# KiCad board line follower simple.kicad_pcb
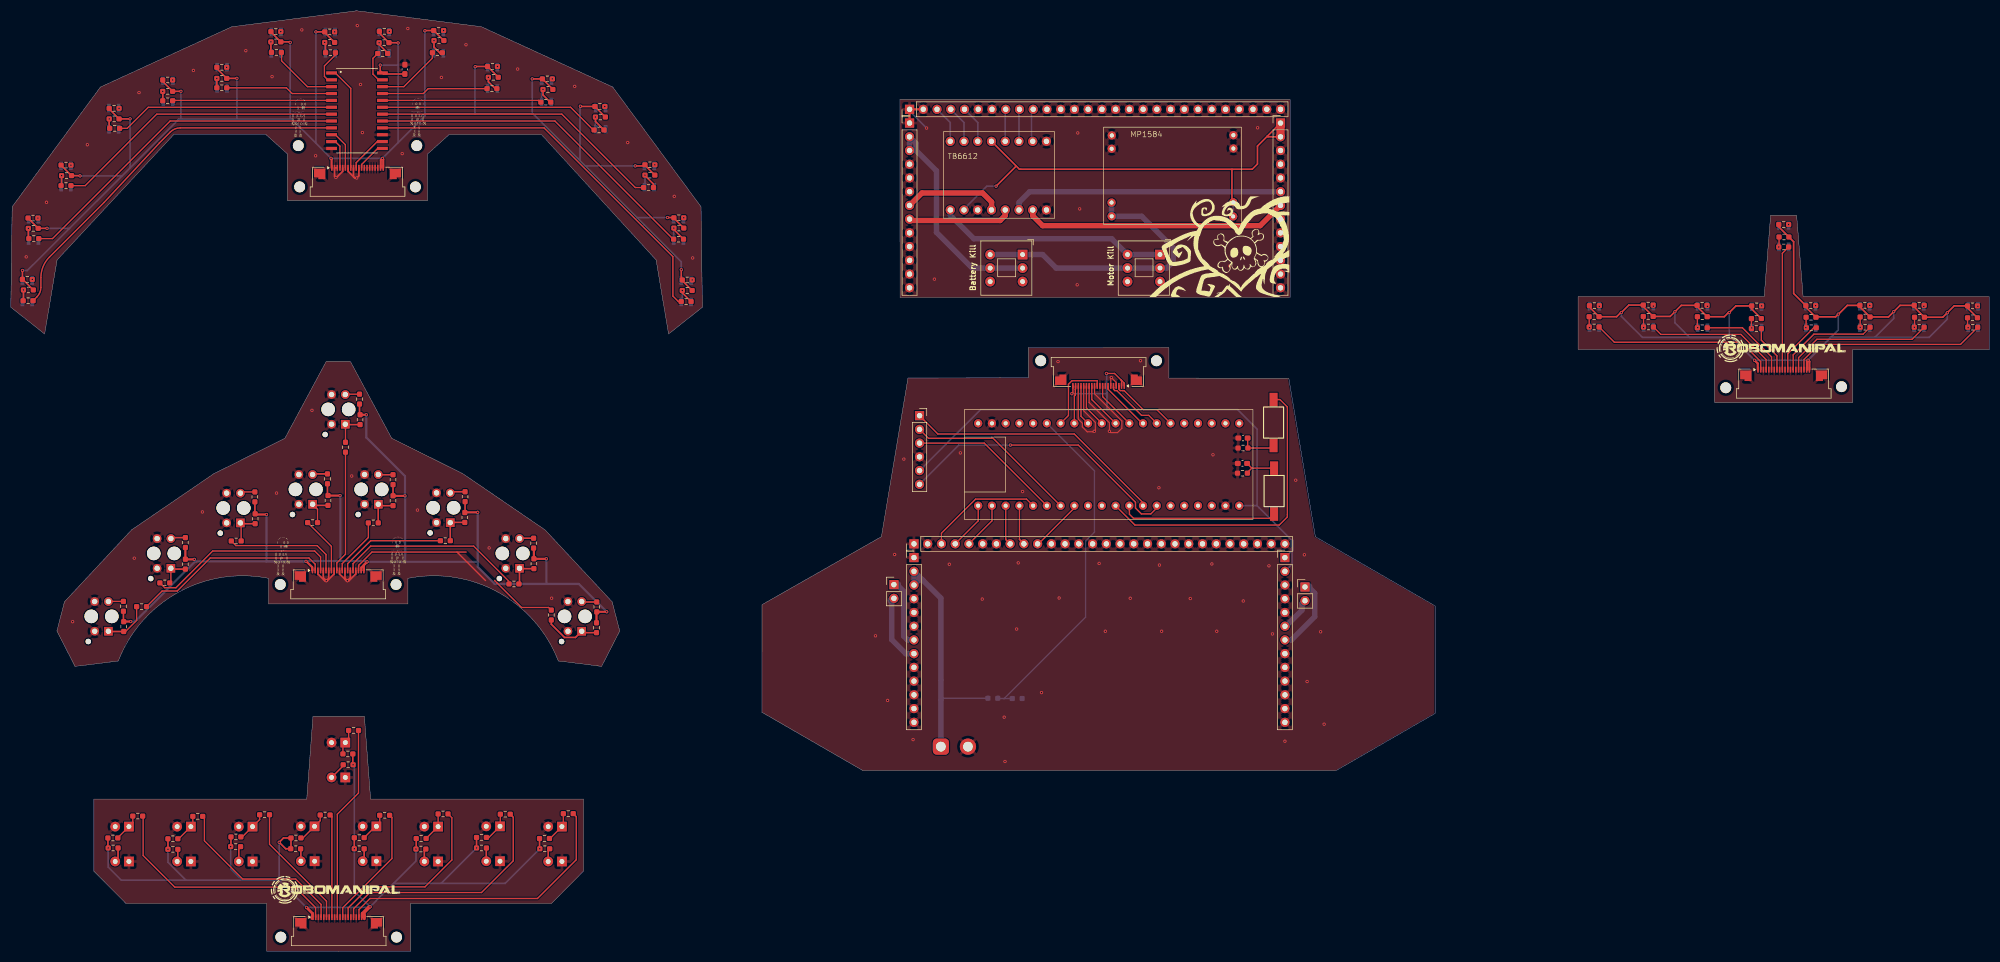
[diagram p0: board, top side]
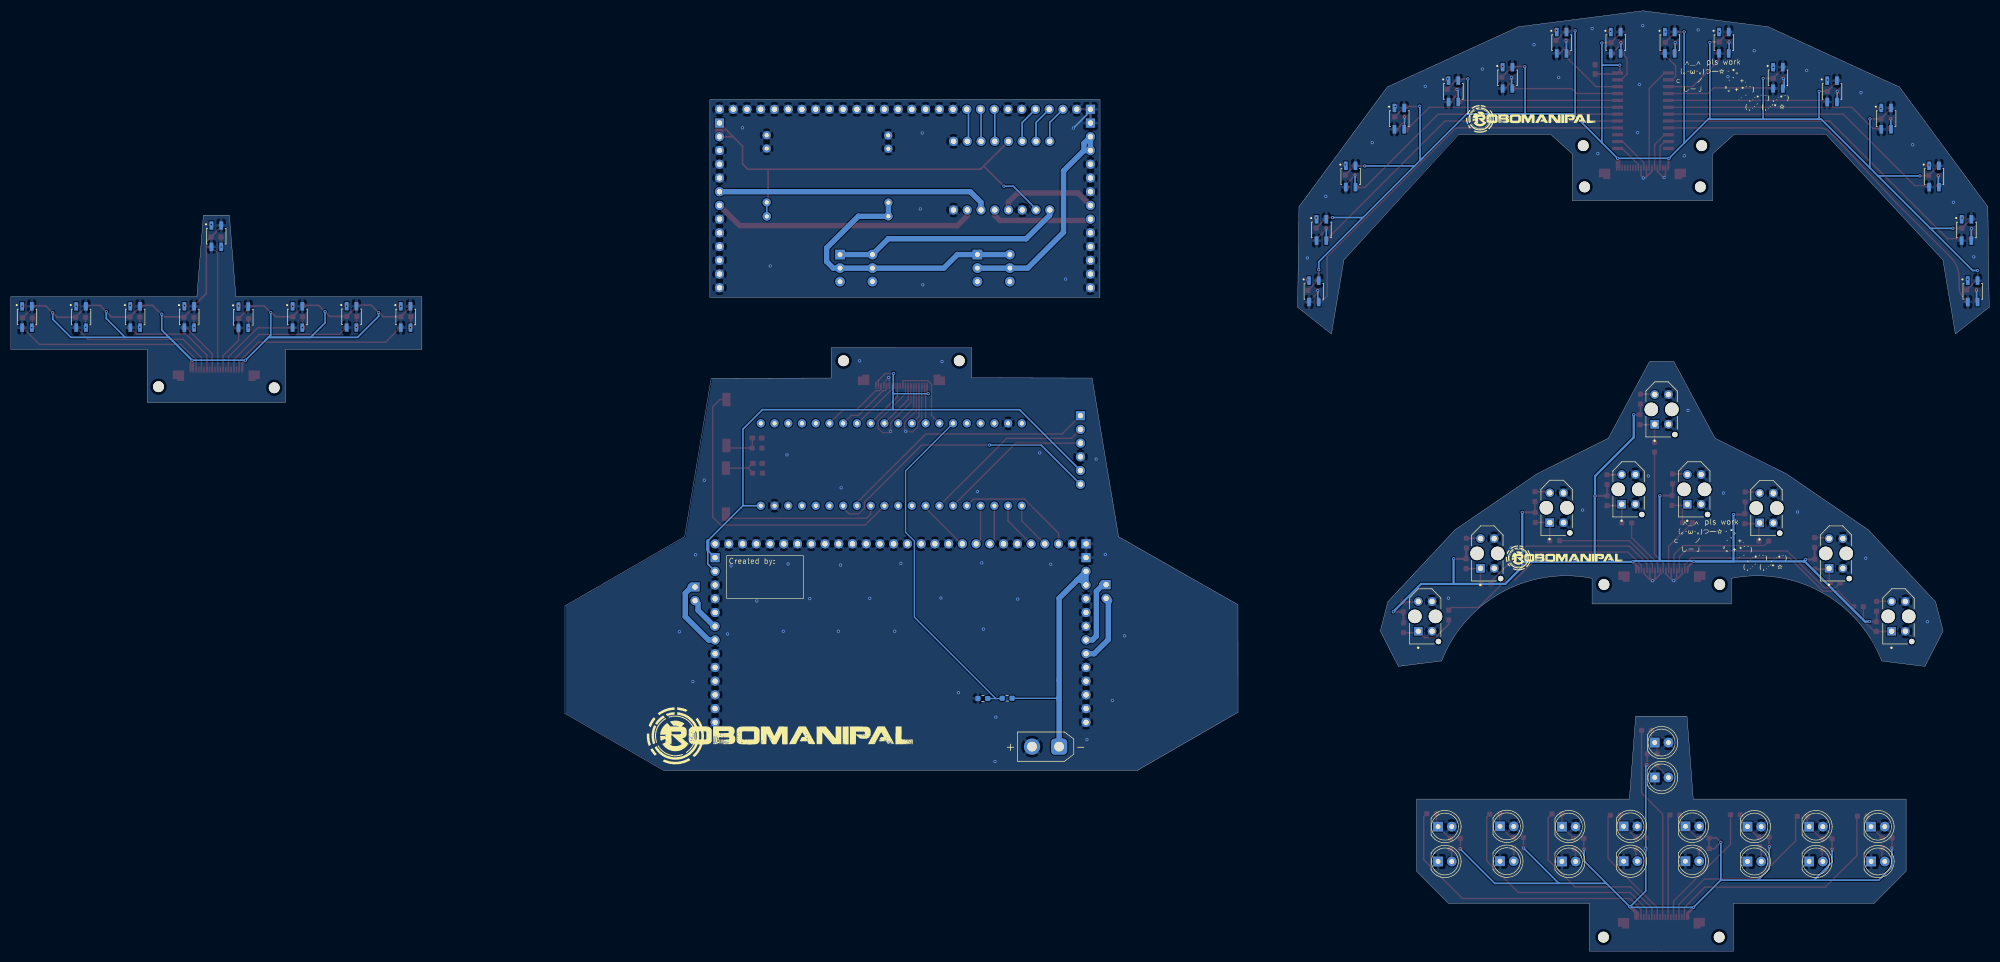
[diagram p1: board, bottom side, seen from below]

Outline 365.75 x 174 mm; copper layers: Top, Bottom. Coordinates in mm from the lower left corner of the outline.
Outline path: 81,151.07 77.1,147.55 77.1,138.87 51.1,138.87 51.1,147.55 47.2,151.07 30.1,151.07 8.55,127.9 6.25,114.2 0,119.15 0.25,137.75 16.57,159.9 40.85,171.05 63.9,174 63.95,174 87,171.05 111.27,159.9 127.6,137.75 127.85,119.15 121.6,114.2 119.3,127.9 98.11,151.08 81.01,151.08 ; 160.94,76.7 138.88,64.12 138.86,44.2 157.5,33.44 245.03,33.44 263.31,43.99 263.31,63.89 241.18,76.69 236.27,106.01 214.1,106.05 214.1,111.7 188.1,111.7 188.1,106.1 165.86,106.05 160.95,76.7 ; 8.52,59.25 9.92,64.65 22.32,77.95 37.52,88.35 50.67,94.9 58.27,109.05 62.82,109.05 70.42,94.9 83.57,88.35 98.77,77.95 111.17,64.65 112.57,59.25 109.22,52.7 101.22,53.7 arc(90.11,66.41) 73.42,68.99 73.42,64.25 47.67,64.25 47.67,68.99 arc(30.98,66.41) 19.87,53.7 11.87,52.7 8.52,59.25 ; 15.36,14.8 15.36,28.15 54.71,28.15 55.86,43.45 65.36,43.45 66.51,28.15 105.86,28.15 105.86,14.8 99.96,8.85 73.91,8.85 73.91,0 47.31,0 47.31,8.85 21.26,8.85 15.36,14.8 ; 164.38,157.55 164.4,120.98 236.51,120.98 236.51,157.55 164.38,157.55 ; 289.75,121.12 289.75,111.33 314.95,111.33 314.95,101.58 340.55,101.58 340.55,111.33 365.75,111.33 365.75,121.12 331.35,121.12 330.15,136.18 325.35,136.18 324.15,121.12 289.75,121.12
Stack: dielectric 0mm FR4 er 4.5 / Top 0.035mm / dielectric 1.51mm FR4 er 4.5 / Bottom 0.035mm / dielectric 0mm FR4 er 4.5

## Placement (name value [footprint] x y rotation side)
BlackPill1  STM32F411_BP  [blackpill_fp]  203.72 90.75 90 top
BT2  ~  [PinSocket_1x06_P2.54mm_Vertical]  168 99.09 0 top
C1  100n  [C_0603_1608Metric_Pad1.08x0.95mm_HandSolder]  227.7 90.25 180 top
C2  100n  [C_0603_1608Metric_Pad1.08x0.95mm_HandSolder]  227.8 94.95 180 top
C10  100n  [C_0603_1608Metric_Pad1.08x0.95mm_HandSolder]  72.85 163.17 90 top
D1  LED  [LED_D5.0mm_Clear]  21.84 16.6 180 bottom
D2  LED  [LED_D5.0mm_Clear]  44.69 16.6 180 bottom
D3  LED  [LED_D5.0mm_Clear]  78.99 16.6 180 bottom
D4  LED  [LED_D5.0mm_Clear]  90.44 16.65 180 bottom
D5  LED  [LED_D5.0mm_Clear]  101.89 16.6 180 bottom
D6  LED  [LED_D5.0mm_Clear]  61.84 32.15 180 bottom
D7  LED  [LED_D5.0mm_Clear]  33.29 16.6 180 bottom
D8  LED  [LED_D5.0mm_Clear]  56.16 16.65 180 bottom
D9  LED  [LED_D5.0mm_Clear]  67.59 16.65 180 bottom
G***  -  [LOGO]  221.55 130.36 0 top
G***#2  -  [LOGO]  75.3 158.25 0 top
G***#3  LOGO  [robo_logo.pretty]  60.02 11.35 0 top
G***#4  -  [LOGO]  71.58 77.11 0 top
G***#5  LOGO  [robo_logo.pretty]  327.3 111.55 0 top
G***#6  LOGO  [robo_logo.pretty]  223.55 39.85 180 bottom
G***#7  -  [LOGO]  47.64 74.94 180 bottom
G***#8  -  [LOGO]  47.27 160.07 180 bottom
G***#9  LOGO  [robo_logo.pretty]  78.55 72.77 180 bottom
G***#10  LOGO  [robo_logo.pretty]  84.75 154 180 bottom
H1  MountingHole  [2mm hole]  191.16 106.96 0 top
H2  MountingHole  [2mm hole]  212.56 106.96 0 top
H3  MountingHole  [2mm hole]  54.16 139.13 0 top
H4  MountingHole  [2mm hole]  75.56 139.13 0 top
H5  MountingHole  [2mm hole]  53.91 146.76 0 top
H6  MountingHole  [2mm hole]  75.81 146.76 0 top
H7  MountingHole  [2mm hole]  50.58 65.56 0 top
H8  MountingHole  [2mm hole]  71.98 65.56 0 top
H9  MountingHole  [2mm hole]  317.81 101.96 0 top
H10  MountingHole  [2mm hole]  339.21 102.16 0 top
H11  MountingHole  [2mm hole]  50.67 0.31 0 top
H12  MountingHole  [2mm hole]  72.07 0.31 0 top
J1  XT30UPB-M  [AMASS_XT30UPB-M_1x02_P5.0mm_Vertical]  171.95 37.85 0 bottom
J2  Conn_01x20_MountingPin  [Amphenol_F32Q-1A7x1-11020_1x20-1MP_P0.5mm_Horizontal]  64.1 142.05 0 top
J3  Conn_01x02_Pin  [PinHeader_1x02_P2.54mm_Vertical]  163.26 67.83 0 top
J4  Conn_01x02_Pin  [PinHeader_1x02_P2.54mm_Vertical]  239.26 67.4 0 top
J5  Conn_01x28_Pin  [PinHeader_1x28_P2.54mm_Vertical]  166.15 155.77 90 top
J6  Conn_01x20_MountingPin  [Amphenol_F32Q-1A7x1-11020_1x20-1MP_P0.5mm_Horizontal]  60.52 67.55 0 top
J7  Conn_01x20_MountingPin  [Amphenol_F32Q-1A7x1-11020_1x20-1MP_P0.5mm_Horizontal]  201.1 107.5 180 top
J8  Conn_01x28_Pin  [PinHeader_1x28_P2.54mm_Vertical]  166.97 75.37 90 top
J9  Conn_01x20_MountingPin  [Amphenol_F32Q-1A7x1-11020_1x20-1MP_P0.5mm_Horizontal]  327.76 104.7 0 top
J10  Conn_01x13_Pin  [PinHeader_1x13_P2.54mm_Vertical]  166.97 72.83 0 top
J11  Conn_01x13_Pin  [PinHeader_1x13_P2.54mm_Vertical]  235.55 72.83 0 top
J12  Conn_01x13_Pin  [PinHeader_1x13_P2.54mm_Vertical]  166.15 153.23 0 top
J13  Conn_01x13_Pin  [PinHeader_1x13_P2.54mm_Vertical]  234.73 153.23 0 top
J14  Conn_01x20_MountingPin  [Amphenol_F32Q-1A7x1-11020_1x20-1MP_P0.5mm_Horizontal]  60.61 3.4 0 top
MP1  ~  [MP1584_fp]  209.02 141.48 90 top
NOREF  -  [121fe10c-235d-4926-a72f-1fa2c98b0cf3]  50.63 69.57 0 top
NOREF#2  -  [121fe10c-235d-4926-a72f-1fa2c98b0cf3]  53.85 150.7 0 top
Q1  BPW40  [LED_D5.0mm_Clear]  101.89 23.05 180 bottom
Q2  BPW40  [LED_D5.0mm_Clear]  67.59 23.1 180 bottom
Q3  BPW40  [LED_D5.0mm_Clear]  33.29 23.05 180 bottom
Q4  BPW40  [LED_D5.0mm_Clear]  90.44 23.1 180 bottom
Q5  BPW40  [LED_D5.0mm_Clear]  56.15 23.1 180 bottom
Q6  BPW40  [LED_D5.0mm_Clear]  21.84 23.05 180 bottom
Q7  BPW40  [LED_D5.0mm_Clear]  78.99 23.05 180 bottom
Q8  BPW40  [LED_D5.0mm_Clear]  44.69 23.05 180 bottom
Q9  BPW40  [LED_D5.0mm_Clear]  61.84 38.6 180 bottom
R1  10k  [R_0603_1608Metric_Pad0.98x0.95mm_HandSolder]  227.7 88.45 180 top
R2  10k  [R_0603_1608Metric_Pad0.98x0.95mm_HandSolder]  227.8 93.1 180 top
R3  R_Small  [R_0603_1608Metric_Pad0.98x0.95mm_HandSolder]  18.91 19.1 0 top
R4  R_Small  [R_0603_1608Metric_Pad0.98x0.95mm_HandSolder]  98.66 20.85 180 top
R5  10k  [R_0603_1608Metric_Pad0.98x0.95mm_HandSolder]  181.55 46.8 180 bottom
R6  3.3k  [R_0603_1608Metric_Pad0.98x0.95mm_HandSolder]  186.05 46.75 180 bottom
R7  R_Small  [R_0603_1608Metric_Pad0.98x0.95mm_HandSolder]  103.06 25.45 180 top
R8  R_Small  [R_0603_1608Metric_Pad0.98x0.95mm_HandSolder]  41.56 19.35 0 top
R9  R_Small  [R_0603_1608Metric_Pad0.98x0.95mm_HandSolder]  75.81 18.9 0 top
R10  R_Small  [R_0603_1608Metric_Pad0.98x0.95mm_HandSolder]  87.01 19.1 0 top
R11  R_Small  [R_0603_1608Metric_Pad0.98x0.95mm_HandSolder]  98.71 18.95 0 top
R12  R_Small  [R_0603_1608Metric_Pad0.98x0.95mm_HandSolder]  62.36 34.5 180 top
R13  R_Small  [R_0603_1608Metric_Pad0.98x0.95mm_HandSolder]  29.96 18.85 0 top
R14  R_Small  [R_0603_1608Metric_Pad0.98x0.95mm_HandSolder]  52.66 18.95 0 top
R15  R_Small  [R_0603_1608Metric_Pad0.98x0.95mm_HandSolder]  64.41 18.95 0 top
R16  R_Small  [R_0603_1608Metric_Pad0.98x0.95mm_HandSolder]  64.41 21 180 top
R17  R_Small  [R_0603_1608Metric_Pad0.98x0.95mm_HandSolder]  69.11 25.15 180 top
R18  R_Small  [R_0603_1608Metric_Pad0.98x0.95mm_HandSolder]  29.96 20.8 180 top
R19  220  [R_0603_1608Metric_Pad0.98x0.95mm_HandSolder]  3.2 120.35 180 top
R20  220  [R_0603_1608Metric_Pad0.98x0.95mm_HandSolder]  4.25 131.85 180 top
R21  220  [R_0603_1608Metric_Pad0.98x0.95mm_HandSolder]  10.2 141.65 180 top
R22  150  [R_0603_1608Metric_Pad0.98x0.95mm_HandSolder]  3.05 124.3 180 top
R23  150  [R_0603_1608Metric_Pad0.98x0.95mm_HandSolder]  4.1 135.65 180 top
R24  4k7  [R_0603_1608Metric_Pad0.98x0.95mm_HandSolder]  3.25 122.35 0 top
R25  4k7  [R_0603_1608Metric_Pad0.98x0.95mm_HandSolder]  4.15 133.75 0 top
R26  150  [R_0603_1608Metric_Pad0.98x0.95mm_HandSolder]  10.2 145.45 180 top
R27  4k7  [R_0603_1608Metric_Pad0.98x0.95mm_HandSolder]  10.3 143.5 0 top
R28  150  [R_0603_1608Metric_Pad0.98x0.95mm_HandSolder]  29 161.2 180 top
R29  4k7  [R_0603_1608Metric_Pad0.98x0.95mm_HandSolder]  29 159.1 0 top
R30  220  [R_0603_1608Metric_Pad0.98x0.95mm_HandSolder]  29 157.35 180 top
R31  150  [R_0603_1608Metric_Pad0.98x0.95mm_HandSolder]  39 163.55 180 top
R32  4k7  [R_0603_1608Metric_Pad0.98x0.95mm_HandSolder]  39 161.5 0 top
R33  220  [R_0603_1608Metric_Pad0.98x0.95mm_HandSolder]  39 159.75 180 top
R34  150  [R_0603_1608Metric_Pad0.98x0.95mm_HandSolder]  49 170.15 180 top
R35  4k7  [R_0603_1608Metric_Pad0.98x0.95mm_HandSolder]  49 168.25 0 top
R36  220  [R_0603_1608Metric_Pad0.98x0.95mm_HandSolder]  49.1 166.3 180 top
R37  150  [R_0603_1608Metric_Pad0.98x0.95mm_HandSolder]  69.05 170.2 180 top
R38  4k7  [R_0603_1608Metric_Pad0.98x0.95mm_HandSolder]  69 168.1 0 top
R39  220  [R_0603_1608Metric_Pad0.98x0.95mm_HandSolder]  68.75 166.1 0 top
R40  150  [R_0603_1608Metric_Pad0.98x0.95mm_HandSolder]  79.1 170.35 180 top
R41  4k7  [R_0603_1608Metric_Pad0.98x0.95mm_HandSolder]  79.15 168.5 0 top
R42  220  [R_0603_1608Metric_Pad0.98x0.95mm_HandSolder]  78.85 166.25 0 top
R43  150  [R_0603_1608Metric_Pad0.98x0.95mm_HandSolder]  89.05 163.7 180 top
R44  4k7  [R_0603_1608Metric_Pad0.98x0.95mm_HandSolder]  89.2 161.7 0 top
R45  220  [R_0603_1608Metric_Pad0.98x0.95mm_HandSolder]  88.95 159.6 0 top
R46  150  [R_0603_1608Metric_Pad0.98x0.95mm_HandSolder]  19.1 155.95 180 top
R47  150  [R_0603_1608Metric_Pad0.98x0.95mm_HandSolder]  58.95 170.1 180 top
R48  150  [R_0603_1608Metric_Pad0.98x0.95mm_HandSolder]  99.2 161.4 180 top
R49  150  [R_0603_1608Metric_Pad0.98x0.95mm_HandSolder]  108.33 63.7 90 top
R50  4k7  [R_0603_1608Metric_Pad0.98x0.95mm_HandSolder]  108.28 59.85 270 top
R51  220  [R_0603_1608Metric_Pad0.98x0.95mm_HandSolder]  99.92 62.2 90 top
R52  150  [R_0603_1608Metric_Pad0.98x0.95mm_HandSolder]  96.65 75.5 90 top
R53  4k7  [R_0603_1608Metric_Pad0.98x0.95mm_HandSolder]  96.7 71.7 270 top
R54  220  [R_0603_1608Metric_Pad0.98x0.95mm_HandSolder]  93.02 67.95 180 top
R55  150  [R_0603_1608Metric_Pad0.98x0.95mm_HandSolder]  83.98 84.1 90 top
R56  4k7  [R_0603_1608Metric_Pad0.98x0.95mm_HandSolder]  83.93 80.25 270 top
R57  220  [R_0603_1608Metric_Pad0.98x0.95mm_HandSolder]  80.33 75.95 180 top
R58  150  [R_0603_1608Metric_Pad0.98x0.95mm_HandSolder]  70.66 87.25 90 top
R59  4k7  [R_0603_1608Metric_Pad0.98x0.95mm_HandSolder]  70.66 83.35 270 top
R60  220  [R_0603_1608Metric_Pad0.98x0.95mm_HandSolder]  67.01 79.25 180 top
R61  150  [R_0603_1608Metric_Pad0.98x0.95mm_HandSolder]  58.54 87.4 90 top
R62  4k7  [R_0603_1608Metric_Pad0.98x0.95mm_HandSolder]  58.64 83.4 270 top
R63  220  [R_0603_1608Metric_Pad0.98x0.95mm_HandSolder]  55.79 79.3 180 top
R64  150  [R_0603_1608Metric_Pad0.98x0.95mm_HandSolder]  45.12 84.06 90 top
R65  4k7  [R_0603_1608Metric_Pad0.98x0.95mm_HandSolder]  45.17 80.01 270 top
R66  220  [R_0603_1608Metric_Pad0.98x0.95mm_HandSolder]  41.67 75.9 180 top
R67  150  [R_0603_1608Metric_Pad0.98x0.95mm_HandSolder]  32.27 75.61 90 top
R68  4k7  [R_0603_1608Metric_Pad0.98x0.95mm_HandSolder]  32.27 71.61 270 top
R69  220  [R_0603_1608Metric_Pad0.98x0.95mm_HandSolder]  28.47 68.15 180 top
R70  150  [R_0603_1608Metric_Pad0.98x0.95mm_HandSolder]  20.82 63.81 90 top
R71  4k7  [R_0603_1608Metric_Pad0.98x0.95mm_HandSolder]  20.87 60.06 270 top
R72  220  [R_0603_1608Metric_Pad0.98x0.95mm_HandSolder]  24.17 63.75 0 top
R73  150  [R_0603_1608Metric_Pad0.98x0.95mm_HandSolder]  64.47 102.15 90 top
R74  4k7  [R_0603_1608Metric_Pad0.98x0.95mm_HandSolder]  64.57 98.35 270 top
R75  220  [R_0603_1608Metric_Pad0.98x0.95mm_HandSolder]  61.87 93.25 270 top
R76  4k7  [R_0603_1608Metric_Pad0.98x0.95mm_HandSolder]  19.1 154 0 top
R77  4k7  [R_0603_1608Metric_Pad0.98x0.95mm_HandSolder]  58.95 168.15 0 top
R78  4k7  [R_0603_1608Metric_Pad0.98x0.95mm_HandSolder]  99.3 159.45 0 top
R79  220  [R_0603_1608Metric_Pad0.98x0.95mm_HandSolder]  19.2 152.25 180 top
R80  220  [R_0603_1608Metric_Pad0.98x0.95mm_HandSolder]  59.1 166.25 180 top
R81  220  [R_0603_1608Metric_Pad0.98x0.95mm_HandSolder]  98.9 157.1 0 top
R82  150  [R_0603_1608Metric_Pad0.98x0.95mm_HandSolder]  108.9 156.3 180 top
R83  4k7  [R_0603_1608Metric_Pad0.98x0.95mm_HandSolder]  109 154.35 0 top
R84  220  [R_0603_1608Metric_Pad0.98x0.95mm_HandSolder]  108.75 151.95 0 top
R85  150  [R_0603_1608Metric_Pad0.98x0.95mm_HandSolder]  118.15 145.5 180 top
R86  4k7  [R_0603_1608Metric_Pad0.98x0.95mm_HandSolder]  118.15 143.6 0 top
R87  220  [R_0603_1608Metric_Pad0.98x0.95mm_HandSolder]  117.9 141.3 0 top
R88  150  [R_0603_1608Metric_Pad0.98x0.95mm_HandSolder]  123.5 135.7 180 top
R89  4k7  [R_0603_1608Metric_Pad0.98x0.95mm_HandSolder]  123.5 133.8 0 top
R90  220  [R_0603_1608Metric_Pad0.98x0.95mm_HandSolder]  123.45 131.75 0 top
R91  150  [R_0603_1608Metric_Pad0.98x0.95mm_HandSolder]  125.05 124.2 180 top
R92  4k7  [R_0603_1608Metric_Pad0.98x0.95mm_HandSolder]  125.05 122.25 0 top
R93  220  [R_0603_1608Metric_Pad0.98x0.95mm_HandSolder]  124.85 120.2 0 top
R94  150  [R_0603_1608Metric_Pad0.98x0.95mm_HandSolder]  362.66 119.4 180 top
R95  150  [R_0603_1608Metric_Pad0.98x0.95mm_HandSolder]  332.76 119.45 180 top
R96  150  [R_0603_1608Metric_Pad0.98x0.95mm_HandSolder]  302.71 119.55 180 top
R97  4k7  [R_0603_1608Metric_Pad0.98x0.95mm_HandSolder]  362.66 117.2 0 top
R98  4k7  [R_0603_1608Metric_Pad0.98x0.95mm_HandSolder]  332.81 117.3 0 top
R99  4k7  [R_0603_1608Metric_Pad0.98x0.95mm_HandSolder]  302.71 117.45 0 top
R100  220  [R_0603_1608Metric_Pad0.98x0.95mm_HandSolder]  362.71 115.45 180 top
R101  220  [R_0603_1608Metric_Pad0.98x0.95mm_HandSolder]  332.86 115.35 180 top
R102  220  [R_0603_1608Metric_Pad0.98x0.95mm_HandSolder]  302.76 115.5 180 top
R103  150  [R_0603_1608Metric_Pad0.98x0.95mm_HandSolder]  352.81 119.5 180 top
R104  150  [R_0603_1608Metric_Pad0.98x0.95mm_HandSolder]  322.76 119.4 180 top
R105  150  [R_0603_1608Metric_Pad0.98x0.95mm_HandSolder]  292.76 119.45 180 top
R106  4k7  [R_0603_1608Metric_Pad0.98x0.95mm_HandSolder]  352.86 117.3 0 top
R107  4k7  [R_0603_1608Metric_Pad0.98x0.95mm_HandSolder]  322.71 117.05 0 top
R108  4k7  [R_0603_1608Metric_Pad0.98x0.95mm_HandSolder]  292.71 117.4 0 top
R109  220  [R_0603_1608Metric_Pad0.98x0.95mm_HandSolder]  352.81 115.45 180 top
R110  220  [R_0603_1608Metric_Pad0.98x0.95mm_HandSolder]  322.71 115.2 180 top
R111  220  [R_0603_1608Metric_Pad0.98x0.95mm_HandSolder]  292.71 115.5 180 top
R112  150  [R_0603_1608Metric_Pad0.98x0.95mm_HandSolder]  342.76 119.5 180 top
R113  150  [R_0603_1608Metric_Pad0.98x0.95mm_HandSolder]  312.66 119.5 180 top
R114  150  [R_0603_1608Metric_Pad0.98x0.95mm_HandSolder]  327.76 134.45 180 top
R115  4k7  [R_0603_1608Metric_Pad0.98x0.95mm_HandSolder]  342.81 117.35 0 top
R116  4k7  [R_0603_1608Metric_Pad0.98x0.95mm_HandSolder]  312.71 117.4 0 top
R117  4k7  [R_0603_1608Metric_Pad0.98x0.95mm_HandSolder]  327.81 132.15 0 top
R118  220  [R_0603_1608Metric_Pad0.98x0.95mm_HandSolder]  342.81 115.45 180 top
R119  220  [R_0603_1608Metric_Pad0.98x0.95mm_HandSolder]  312.71 115.35 180 top
R120  220  [R_0603_1608Metric_Pad0.98x0.95mm_HandSolder]  327.76 130.3 180 top
R121  R_Small  [R_0603_1608Metric_Pad0.98x0.95mm_HandSolder]  34.56 24.95 180 top
R122  R_Small  [R_0603_1608Metric_Pad0.98x0.95mm_HandSolder]  87.01 21.05 180 top
R123  R_Small  [R_0603_1608Metric_Pad0.98x0.95mm_HandSolder]  52.71 20.95 180 top
R124  R_Small  [R_0603_1608Metric_Pad0.98x0.95mm_HandSolder]  18.86 20.95 180 top
R125  R_Small  [R_0603_1608Metric_Pad0.98x0.95mm_HandSolder]  91.41 25.35 180 top
R126  R_Small  [R_0603_1608Metric_Pad0.98x0.95mm_HandSolder]  58.11 25.2 180 top
R127  R_Small  [R_0603_1608Metric_Pad0.98x0.95mm_HandSolder]  23.46 25 180 top
R128  R_Small  [R_0603_1608Metric_Pad0.98x0.95mm_HandSolder]  75.86 20.85 180 top
R129  R_Small  [R_0603_1608Metric_Pad0.98x0.95mm_HandSolder]  41.61 21.15 180 top
R130  R_Small  [R_0603_1608Metric_Pad0.98x0.95mm_HandSolder]  62.31 36.5 0 top
R131  R_Small  [R_0603_1608Metric_Pad0.98x0.95mm_HandSolder]  79.91 25.4 180 top
R132  R_Small  [R_0603_1608Metric_Pad0.98x0.95mm_HandSolder]  46.91 25.25 180 top
R133  R_Small  [R_0603_1608Metric_Pad0.98x0.95mm_HandSolder]  63.36 40.85 180 top
SW2  SW_Push  [Push button-fp]  233.55 85.2 270 top
SW3  SW_Push  [Push button-fp]  233.45 97.75 90 top
SW5  SW_Push_DPDT  [SW_Push_2P2T_Toggle_CK_PVA2xxH3xxxxxxV2]  187.05 128.9 270 top
SW6  SW_Push_DPDT  [SW_Push_2P2T_Toggle_CK_PVA2xxH3xxxxxxV2]  212.45 128.9 270 top
TB1  ~  [TB6612 module]  182.82 141.72 270 top
U1  74HC4067  [74HC4067-Mux]  64 155.5 0 top
U2  TCRT5000L  [XDCR_TCRT5000L]  104.27 61.95 90 bottom
U4  TCRT5000L  [XDCR_TCRT5000L]  92.77 73.6 90 bottom
U5  TCRT5000L  [XDCR_TCRT5000L]  79.97 82.05 90 bottom
U6  TCRT5000L  [XDCR_TCRT5000L]  66.67 85.45 90 bottom
U7  TCRT5000L  [XDCR_TCRT5000L]  54.52 85.45 90 bottom
U8  TCRT5000L  [XDCR_TCRT5000L]  41.17 82 90 bottom
U9  TCRT5000L  [XDCR_TCRT5000L]  28.32 73.6 90 bottom
U10  QRE1113GR  [QRE1113-SMD]  3.05 122.1 180 bottom
U11  QRE1113GR  [QRE1113-SMD]  4.2 133.45 180 bottom
U12  QRE1113GR  [QRE1113-SMD]  10.2 143.35 180 bottom
U13  QRE1113GR  [QRE1113-SMD]  29.05 159.1 180 bottom
U14  QRE1113GR  [QRE1113-SMD]  39.05 161.6 180 bottom
U15  QRE1113GR  [QRE1113-SMD]  49.05 168.1 180 bottom
U16  QRE1113GR  [QRE1113-SMD]  69.05 168.1 180 bottom
U17  QRE1113GR  [QRE1113-SMD]  79.05 168.1 180 bottom
U18  QRE1113GR  [QRE1113-SMD]  89.05 161.6 180 bottom
U19  TCRT5000L  [XDCR_TCRT5000L]  16.77 61.95 90 bottom
U20  TCRT5000L  [XDCR_TCRT5000L]  60.56 100.25 90 bottom
U21  QRE1113GR  [QRE1113-SMD]  19.05 154.05 180 bottom
U22  QRE1113GR  [QRE1113-SMD]  59.05 168.1 180 bottom
U23  QRE1113GR  [QRE1113-SMD]  99.05 159.1 180 bottom
U24  QRE1113GR  [QRE1113-SMD]  109.05 154.05 180 bottom
U25  QRE1113GR  [QRE1113-SMD]  118.05 143.35 180 bottom
U26  QRE1113GR  [QRE1113-SMD]  123.45 133.45 180 bottom
U27  QRE1113GR  [QRE1113-SMD]  124.85 122.1 180 bottom
U28  QRE1113GR  [QRE1113-SMD]  362.76 117.35 180 bottom
U29  QRE1113GR  [QRE1113-SMD]  332.76 117.35 180 bottom
U30  QRE1113GR  [QRE1113-SMD]  302.76 117.38 180 bottom
U31  QRE1113GR  [QRE1113-SMD]  352.76 117.35 180 bottom
U32  QRE1113GR  [QRE1113-SMD]  322.76 117.3 180 bottom
U33  QRE1113GR  [QRE1113-SMD]  292.76 117.35 180 bottom
U34  QRE1113GR  [QRE1113-SMD]  342.76 117.35 180 bottom
U35  QRE1113GR  [QRE1113-SMD]  312.76 117.35 180 bottom
U36  QRE1113GR  [QRE1113-SMD]  327.76 132.3 180 bottom

## Library data of the parts
BT2 MP1 = -: KiLib_Generator: connector/pin_header_socket
C1 C2 C10 = -: Description: Unpolarized capacitor, small symbol; KiLib_Generator: SMD_2terminal_chip_molded; ki_fp_filters: C_*
D1-D9 = -: Description: Light emitting diode; KiLib_Generator: LED/THT; Sim.Pins: 1=K 2=A; ki_fp_filters: LED* LED_SMD:* LED_THT:*
H1-H12 = -: Description: Mounting Hole without connection; ki_fp_filters: MountingHole*
J1 = -: MF: amass; MAXIMUM_PACKAGE_HEIGHT: 10.7mm; CREATOR: DIZAR; Price: None; Package: None; Check_prices: https://www.snapeda.com/parts/XT30UPB-M/AMASS/view-part/?ref=eda; STANDARD: Manufacturer Recommendations; SnapEDA_Link: https://www.snapeda.com/parts/XT30UPB-M/AMASS/view-part/?ref=snap; Description_1: Socket; DC supply; XT30; male; PIN: 2; on PCBs; THT; yellow; 15A; 500V; Availability: In Stock; MANUFACTURER: amass
J2 J6 J7 J9 J14 = -: Description: Generic connectable mounting pin connector, single row, 01x20, script generated (kicad-library-utils/schlib/autogen/connector/); KiLib_Generator: connector/Amphenol; ki_fp_filters: Connector*:*_1x??-1MP*
J3 J4 = -: Description: Generic connector, single row, 01x02, script generated; KiLib_Generator: connector/pin_header_socket; ki_fp_filters: Connector*:*_1x??_*
J5 J8 = -: Description: Generic connector, single row, 01x28, script generated; KiLib_Generator: connector/pin_header_socket; ki_fp_filters: Connector*:*_1x??_*
J10-J13 = -: Description: Generic connector, single row, 01x13, script generated; KiLib_Generator: connector/pin_header_socket; ki_fp_filters: Connector*:*_1x??_*
Q1-Q9 = -: Datasheet: https://www.rcscomponents.kiev.ua/datasheets/bpw40.pdf; Description: Phototransistor NPN; KiLib_Generator: LED/THT; ki_fp_filters: LED*D5.0mm*Clear*
R1-R4 R7-R133 = -: Description: Resistor, small symbol; KiLib_Generator: SMD_2terminal_chip_molded; ki_fp_filters: R_*
R5 R6 = -: Description: Resistor; KiLib_Generator: SMD_2terminal_chip_molded; ki_fp_filters: R_*
SW2 SW3 = -: Description: Push button switch, generic, two pins
SW5 SW6 = -: Description: Momentary Switch, dual pole double throw
U1 = -: ki_fp_filters: SOIC-24 SSOP24
U2 U4-U9 U19 U20 = -: Description: TCRT5000 Series 940 nm 100 mA 60 mA Transistor Output Reflective Optical Sensor; MF: Vishay Semiconductor; PACKAGE: PCB Mount Vishay; PRICE: 0.60 USD; Package: None; Check_prices: https://www.snapeda.com/parts/TCRT5000L/Vishay/view-part/?ref=eda; Price: None; SnapEDA_Link: https://www.snapeda.com/parts/TCRT5000L/Vishay/view-part/?ref=snap; Availability: In Stock; AVAILABILITY: Good; Description_1: Reflective Optical Sensor 0.591 (15mm) PCB Mount
U10-U18 U21-U36 = -: Description: QRE1113 Series 30 V 50 mA Miniature Reflective Object Sensor - SMD-4; MF: ON Semiconductor; PACKAGE: SMD-4 ON Semiconductor; PRICE: None; Package: ARUSM-313-4 ON Semiconductor; Check_prices: https://www.snapeda.com/parts/QRE1113GR/Onsemi/view-part/?ref=eda; STANDARD: IPC-7351B; PARTREV: 5; SnapEDA_Link: https://www.snapeda.com/parts/QRE1113GR/Onsemi/view-part/?ref=snap; Price: None; Description_1: Reflective Optical Sensor 0.039 (1mm) 4-SMD, Gull Wing; Availability: In Stock; AVAILABILITY: Unavailable; MANUFACTURER: ON Semiconductor
